# Altium PCB Ver1.4.PcbDoc (part 2 of 2)
Units mm, origin at the board's own origin, x right, y up, seen from the top; angles counter-clockwise.
Board outline 99.72 x 68.07 mm, 4 copper layers (Top Layer, Layer 1, Layer 2, Bottom Layer), stack 0.603 mm thick; 154 components, 118 nets, 500 pads, 286 vias.
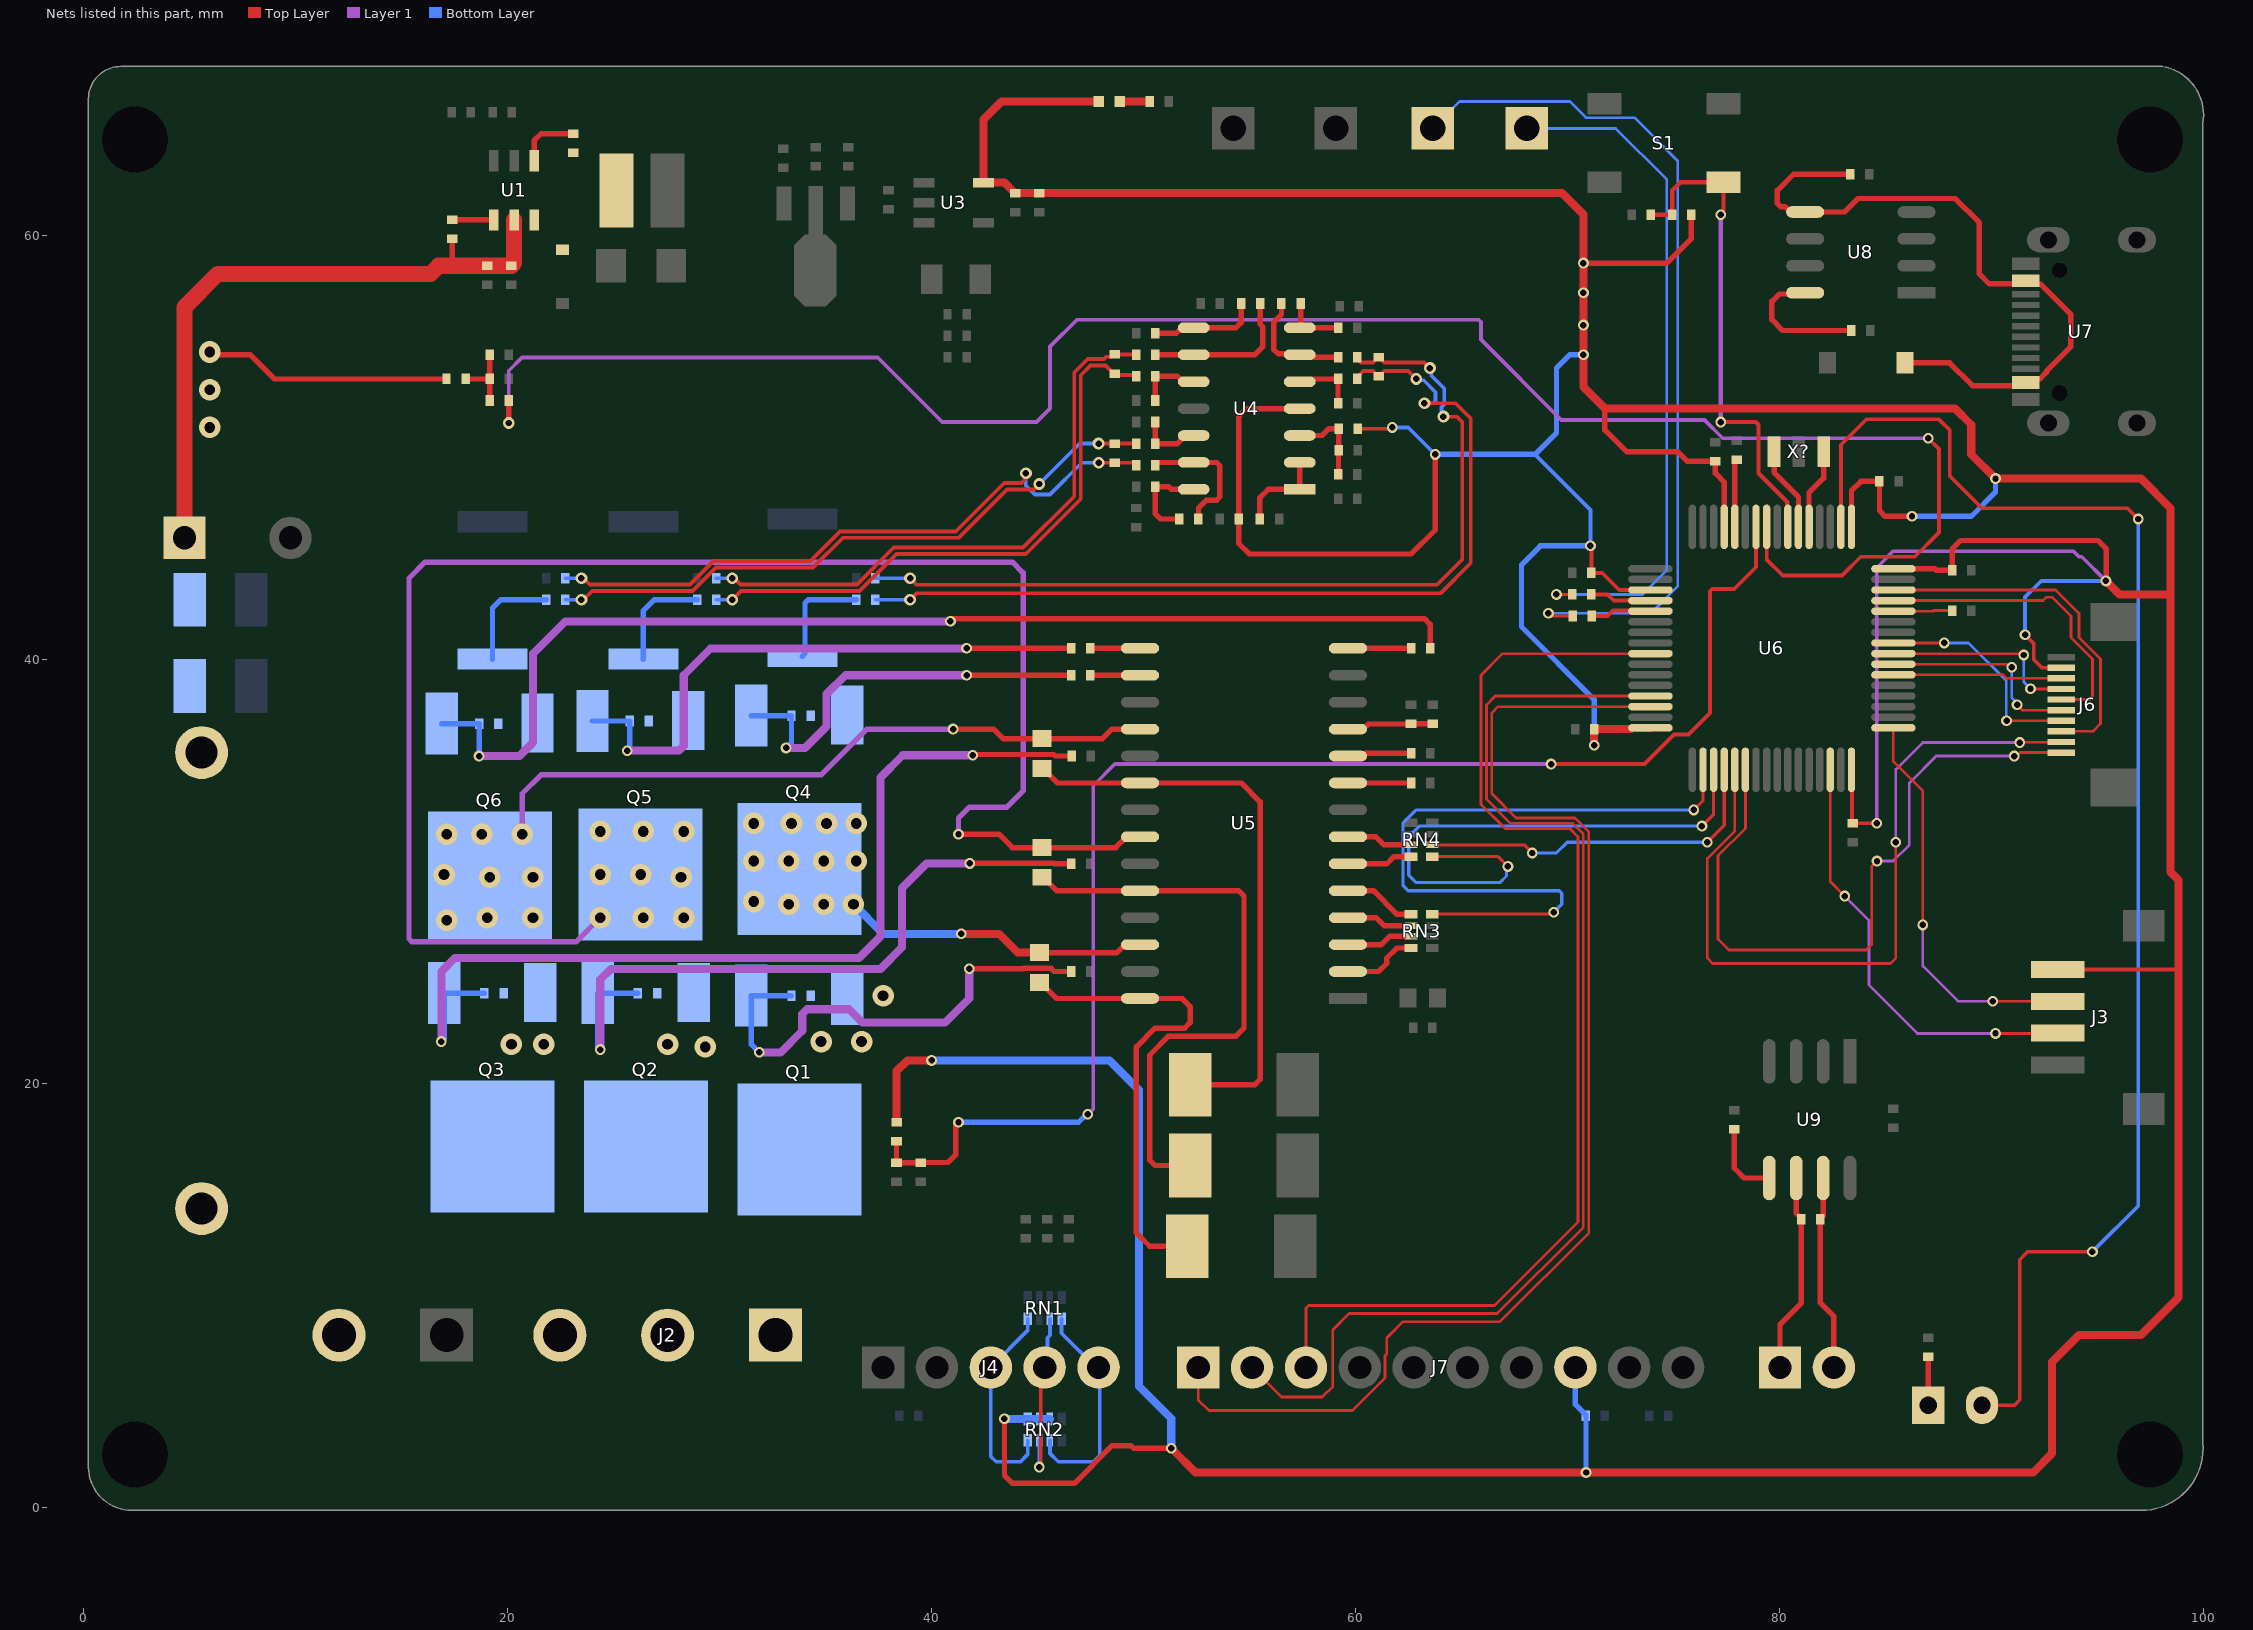
[diagram p4: the nets of this part, all layers, seen from the top]

## Via types
v1: diameter 0.508, hole 0.305, Top Layer to Bottom Layer, tented both sides, 152 vias
v2: diameter 1.016, hole 0.508, Top Layer to Bottom Layer, tented both sides, 85 vias
v3: diameter 0.559, hole 0.305, Top Layer to Bottom Layer, tented both sides, 49 vias

## Nets (pads, with @x,y where several pads share a name; then routed paths per layer and width w, separated by ;. In a path a pad name is that pad's centre, name@x,y a point inside that pad or via, vN(x,y) a via of type N, cw(c..) or ccw(c..) an arc to the next point about the centre after c; other vN are vias at no path point) (continued)
KEY1: J6.2 U6.37 | length 35.7
  Top Layer w0.127: U6.37@77.879,34.786 77.879,31.905 76.581,30.607 76.581,25.908 76.835,25.654 85.217,25.654 85.471,25.908 v1(85.471,31.369) ; v1(91.313,36.068) 91.327,36.082 93.247,36.082 J6.2@93.261,36.096
  Layer 1 w0.127: v1(85.471,31.369) 85.471,34.798 86.741,36.068 v1(91.313,36.068)
KEY2: J6.1 U6.38 | length 32.6
  Top Layer w0.127: U6.38@78.379,34.786 78.379,32.024 77.089,30.734 77.089,26.797 77.597,26.289 84.074,26.289 84.328,26.543 84.328,30.226 v1(84.582,30.48) ; v1(91.059,35.433) 91.162,35.433 91.325,35.596 J6.1@93.261,35.596
  Layer 1 w0.127: v1(84.582,30.48) 85.344,30.48 86.106,31.242 86.106,34.163 87.376,35.433 v1(91.059,35.433)
L1: RN3.8 U6.34 | length 33.4
  Top Layer w0.152: RN3.8@63.611,27.982 69.257,27.982 v1(69.342,28.067) ; v1(75.946,32.893) 76.379,33.326 U6.34@76.379,34.786
  Bottom Layer w0.152: v1(69.342,28.067) 69.723,28.448 69.723,28.956 69.596,29.083 62.484,29.083 62.23,29.337 62.23,32.258 62.865,32.893 v1(75.946,32.893)
L2: RN4.5 U6.35 | length 27.9
  Top Layer w0.152: RN4.5@63.611,30.692 66.717,30.692 v1(67.183,30.226) ; v1(76.327,32.131) 76.879,32.683 U6.35@76.879,34.786
  Bottom Layer w0.152: v1(67.183,30.226) 67.115,30.158 67.115,29.777 66.802,29.464 62.865,29.464 62.509,29.82 62.509,31.648 62.992,32.131 v1(76.327,32.131)
L3: RN4.6 U6.36 | length 17.1
  Top Layer w0.152: RN4.6@63.611,31.242 67.945,31.242 v1(68.326,30.861) ; v1(76.581,31.369) 77.379,32.167 U6.36@77.379,34.786
  Bottom Layer w0.152: v1(68.326,30.861) 69.469,30.861 69.977,31.369 v1(76.581,31.369)
LCD_CS: J6.6 U6.61 | length 14.6
  Top Layer w0.127: U6.61@85.356,42.763 92.42,42.763 92.583,42.926 92.837,42.926 93.726,42.037 93.726,41.021 94.742,40.005 94.742,38.227 94.611,38.096 J6.6@93.261,38.096
LCD_DC: J6.7 U6.56 | length 9.4
  Top Layer w0.127: U6.56@85.356,40.263 91.436,40.263 v1(91.502,40.197) v1@91.567,40.132 ; v1(91.821,38.608) 91.833,38.596 J6.7@93.261,38.596
  Bottom Layer w0.127: v1(91.502,40.197) 91.502,38.927 v1(91.821,38.608)
LCD_LEDA: J6.8 U6.54 | length 8
  Top Layer w0.127: U6.54@85.356,39.263 90.531,39.263 90.698,39.096 J6.8@93.261,39.096
LCD_MOSI: J6.4 U6.57 | length 10.5
  Top Layer w0.127: U6.57@85.356,40.763 85.358,40.765 87.755,40.765 v1(87.757,40.767) ; v1@90.678,37.084 v1(90.69,37.096) J6.4@93.261,37.096
  Bottom Layer w0.127: v1(87.757,40.767) 88.9,40.767 90.678,38.989 90.678,37.108 v1(90.69,37.096)
LCD_RST: J6.3 U6.62 | length 16.8
  Top Layer w0.127: U6.62@85.356,43.263 93.008,43.263 94.107,42.164 94.107,41.021 95.123,40.005 95.123,36.957 94.762,36.596 J6.3@93.261,36.596
LCD_SCK: J6.5 U6.55 | length 9.7
  Top Layer w0.127: U6.55@85.356,39.763 90.793,39.763 v1(90.932,39.624) ; v1(91.186,37.846) 91.436,37.596 J6.5@93.261,37.596
  Bottom Layer w0.127: v1(90.932,39.624) 90.932,38.203 91.186,37.949 v1(91.186,37.846)
LED: J8.2 U6.2 | length 69.1
  Top Layer w0.178: U6.2@82.879,46.24 82.879,50.113 84.074,51.308 87.503,51.308 88.011,50.8 88.011,48.641 89.535,47.117 96.393,47.117 v1(96.901,46.609) ; J8.2@89.535,4.826 91.064,4.826 91.316,5.077 91.313,5.08 91.313,11.684 91.694,12.065 v1(94.742,12.065)
  Bottom Layer w0.178: v1(94.742,12.065) 96.901,14.224 v1(96.901,46.609)
LO1: R11.1 U5.16 | length 2.3
  Top Layer w0.254: R11.1@47.498,39.243 U5.16@49.837,39.243
LO2: R12.1 U5.15 | length 2.3
  Top Layer w0.254: R12.1@47.498,40.513 U5.15@49.837,40.513
LO3: R13.1 U5.14 | length 3
  Top Layer w0.254: U5.14@59.637,40.513 R13.1@62.611,40.513
NetC2_2: C2.2 D3.2 U5.20 | length 27.4
  Top Layer w0.254: C2.2@45.209,34.852 45.259,34.852 45.949,34.163 U5.20@49.837,34.163 54.61,34.163 55.499,33.274 55.499,20.193 55.245,19.939 D3.2@52.197,19.939
NetC6_1: C6.1 U1.1 | length 2.9
  Top Layer w0.254: U1.1@21.27,63.5 21.27,64.45 21.601,64.781 C6.1@23.114,64.781
NetC6_2: C6.2 D1.2 L1.1 U1.6
NetC15_2: C15.2 D4.2 U5.24 | length 28.1
  Top Layer w0.254: C15.2@45.212,29.718 45.262,29.718 45.897,29.083 U5.24@49.837,29.083 54.483,29.083 54.737,28.829 54.737,22.606 54.356,22.225 51.181,22.225 50.292,21.336 50.292,16.383 50.546,16.129 D4.2@52.197,16.129
NetC16_2: C16.2 D5.2 U5.28 | length 22.8
  Top Layer w0.254: C16.2@45.085,24.765 45.135,24.765 45.897,24.003 U5.28@49.837,24.003 51.816,24.003 52.197,23.622 52.197,22.86 51.943,22.606 50.546,22.606 49.657,21.717 49.657,12.954 50.292,12.319 D5.2@52.07,12.319
NetC17_2: C17.2 R61.1 U5.11 | length 4.1
  Top Layer w0.254: U5.11@59.637,36.703 60.354,36.703 60.597,36.946 C17.2@62.611,36.946 62.616,36.952 63.622,36.952 R61.1@63.627,36.957
NetC23_2: C23.2 R28.1 R29.1 R31.2 | length 3.3
  Top Layer w0.254: R28.1@18.034,53.213 R31.2@19.166,53.213 ; C23.2@19.166,54.356 19.172,54.351 19.172,52.202 R29.1@19.177,52.197
NetC28_2: C28.2 R33.2 R38.1 U4.3 | length 4.1
  Top Layer w0.254: U4.3@57.364,50.546 58.42,50.546 58.743,50.869 R33.2@59.196,50.869 R38.1@59.196,49.853 59.191,49.848 59.191,48.716 C28.2@59.185,48.71
NetC33_2: C33.2 R50.1 S1.1 U6.7 | length 23.3
  Top Layer w0.203: C33.2@73.925,60.96 R50.1@74.93,60.96 74.93,62.103 75.311,62.484 S1.1@77.343,62.484 77.343,61.169 77.216,61.042 v1(77.216,60.96) ; v1(77.216,51.181) 78.867,51.181 78.994,51.054 78.994,48.768 80.351,47.411 80.351,46.268 U6.7@80.379,46.24
  Layer 1 w0.203: v1(77.216,51.181) v1(77.216,60.96)
NetC43_2: C43.2 U8.8 | length 6.6
  Top Layer w0.254: U8.8@81.195,57.277 81.138,57.22 79.975,57.22 79.629,56.874 79.629,56.007 80.137,55.499 C43.2@83.37,55.499
NetC49_2: C49.2 U9.5 | length 3.7
  Top Layer w0.254: C49.2@77.851,17.838 77.851,16.002 78.315,15.538 U9.5@79.502,15.538
NetD2_2: D2.2 R4.1 | length 1.4
  Top Layer w0.381: D2.2@48.879,66.294 R4.1@50.281,66.294
NetF1_1: F1.1 J1.2
NetJ4_3: J4.3 RN1.4 RN2.4 | length 9.9
  Bottom Layer w0.178: RN2.4@44.535,3.175 44.535,2.498 44.196,2.159 43.053,2.159 42.799,2.413 J4.3@42.799,6.604 44.535,8.34 RN1.4@44.535,8.906
NetJ4_4: J4.4 RN1.2 RN2.3 | length 8.5
  Top Layer w0.178: v1(45.085,1.905) 45.148,1.968 45.148,6.413 J4.4@45.339,6.604
  Bottom Layer w0.178: v1(45.085,1.905) RN2.3@45.085,3.175 ; J4.4@45.339,6.604 45.466,6.731 45.466,8.001 45.585,8.12 RN1.2@45.585,8.906
NetJ4_5: J4.5 RN1.1 RN2.2 | length 10.5
  Bottom Layer w0.178: RN2.2@45.585,3.175 45.585,2.548 45.974,2.159 47.625,2.159 47.932,2.466 47.932,6.551 J4.5@47.879,6.604 47.752,6.604 46.135,8.221 RN1.1@46.135,8.906
NetJ5_1: J5.1 R55.1 U9.6 | length 9.5
  Top Layer w0.254: J5.1@80.01,6.604 80.01,8.636 81.015,9.641 R55.1@81.015,13.589 81.015,13.639 80.772,13.882 U9.6@80.772,15.538
NetJ5_2: J5.2 R55.2 U9.7 | length 9.2
  Top Layer w0.254: U9.7@82.042,15.538 82.042,13.766 81.915,13.639 R55.2@81.915,13.589 81.915,9.652 82.55,9.017 J5.2@82.55,6.604
NetJ8_1: J8.1 R56.1 | length 2.3
  Top Layer w0.254: J8.1@86.995,4.826 R56.1@86.995,7.112
NetQ1_G: Q1.G R5.2 R8.1 | length 22.9
  Top Layer w0.254: v1(41.783,25.4) 44.323,25.4 44.342,25.419 45.64,25.419 45.786,25.273 R5.2@46.598,25.273
  Layer 1 w0.381: v1(31.877,21.463) 32.893,21.463 33.909,22.479 33.909,23.272 34.132,23.495 36.116,23.495 36.751,22.86 40.64,22.86 41.783,24.003 v1(41.783,25.4)
  Bottom Layer w0.254: v1(31.877,21.463) 31.507,21.833 Q1.G@31.507,24.133 31.511,24.13 R8.1@33.401,24.13
NetQ2_G: Q2.G R6.2 R9.1 | length 34.1
  Top Layer w0.254: v1@41.783,30.353 v1(41.802,30.372) 45.767,30.372 45.786,30.353 R6.2@46.598,30.353
  Layer 1 w0.381: v1(24.384,21.59) 24.384,24.892 24.892,25.4 37.592,25.4 38.608,26.416 38.608,29.21 39.77,30.372 v1(41.802,30.372)
  Bottom Layer w0.254: v1(24.384,21.59) 24.268,21.706 Q2.G@24.268,24.26 24.272,24.257 R9.1@26.162,24.257
NetQ3_G: Q3.G R7.2 R10.1 | length 46
  Top Layer w0.254: v1@41.91,35.433 v1(41.947,35.47) 41.983,35.506 45.765,35.506 45.838,35.433 R7.2@46.609,35.433
  Layer 1 w0.381: v1(16.891,21.971) 16.891,25.273 17.526,25.908 36.576,25.908 37.592,26.924 37.592,34.417 38.645,35.47 v1(41.947,35.47)
  Bottom Layer w0.254: v1(16.891,21.971) 17.029,22.109 Q3.G@17.029,24.26 17.033,24.257 R10.1@18.923,24.257
NetQ4_G: Q4.G R11.2 R14.1 | length 19.3
  Top Layer w0.254: v1(41.656,39.243) R11.2@46.598,39.243
  Layer 1 w0.381: v1(33.147,35.814) 34.036,35.814 35.052,36.83 35.052,38.354 35.941,39.243 v1(41.656,39.243)
  Bottom Layer w0.254: Q4.G@31.507,37.341 31.511,37.338 R14.1@33.401,37.338 33.401,36.068 v1(33.147,35.814)
NetQ4_S: Q4.S R14.2 R17.2 R20.2 | length 5
  Bottom Layer w0.254: R17.2@33.909,40.132 34.036,40.259 34.036,42.65 34.185,42.799 R20.2@36.449,42.799
NetQ5_G: Q5.G R12.2 R15.1 | length 28.1
  Top Layer w0.254: v1(41.656,40.513) R12.2@46.598,40.513
  Layer 1 w0.381: v1(25.654,35.687) 28.098,35.687 28.321,35.91 28.321,39.243 29.591,40.513 v1(41.656,40.513)
  Bottom Layer w0.254: Q5.G@24.014,37.087 24.018,37.084 R15.1@25.781,37.084 25.781,35.814 v1(25.654,35.687)
NetQ5_S: Q5.S R15.2 R18.2 R21.2 | length 5
  Bottom Layer w0.254: R18.2@26.416,40.005 26.416,42.291 26.924,42.799 R21.2@28.956,42.799
NetQ6_G: Q6.G R13.2 R16.1 | length 54.5
  Top Layer w0.254: v1(40.894,41.783) 41.021,41.91 63.246,41.91 63.511,41.645 R13.2@63.511,40.513
  Layer 1 w0.381: v1(18.669,35.433) 20.574,35.433 21.209,36.068 21.209,40.259 22.733,41.783 v1(40.894,41.783)
  Bottom Layer w0.254: Q6.G@16.902,36.96 16.906,36.957 R16.1@18.669,36.957 v1(18.669,35.433)
NetQ6_S: Q6.S R16.2 R19.2 R22.2 | length 5.1
  Bottom Layer w0.254: R19.2@19.304,40.005 19.304,42.418 19.685,42.799 R22.2@21.844,42.799
NetR1_1: R1.1 U1.4 | length 2
  Top Layer w0.254: R1.1@17.399,60.717 19.359,60.717 U1.4@19.37,60.706
NetR32_1: R32.1 R36.2 U4.7 | length 3
  Top Layer w0.254: R32.1@57.404,56.769 57.404,55.666 U4.7@57.364,55.626 R36.2@59.182,55.626
NetR32_2: R32.2 R34.2 U4.6 | length 5.5
  Top Layer w0.254: R32.2@56.504,56.769 56.504,56.25 56.134,55.88 56.134,54.61 56.341,54.403 57.317,54.403 U4.6@57.364,54.356 57.931,54.356 58.057,54.229 R34.2@59.171,54.229
NetR35_1: R35.1 U4.1 U4.2 | length 4.3
  Top Layer w0.254: R35.1@55.488,46.609 55.488,47.614 55.88,48.006 U4.1@57.364,48.006 U4.2@57.364,49.276
NetR37_2: R37.2 R39.2 U4.5 | length 3
  Top Layer w0.254: U4.5@57.364,53.086 57.931,53.086 58.058,53.213 R37.2@59.171,53.213 R39.2@59.171,52.07
NetR40_1: R40.1 R44.2 U4.14 | length 4.4
  Top Layer w0.254: R40.1@51.689,46.609 50.8,46.609 50.557,46.852 R44.2@50.557,48.133 51.181,48.133 51.308,48.006 U4.14@52.364,48.006
NetR40_2: R40.2 R42.2 U4.13 | length 6.4
  Top Layer w0.254: R42.2@50.557,49.149 50.557,49.199 50.634,49.276 U4.13@52.364,49.276 53.445,49.276 53.594,49.127 53.594,47.647 53.445,47.498 52.959,47.498 52.589,47.128 R40.2@52.589,46.609
NetR41_1: R41.1 R45.2 U4.8 | length 5.1
  Top Layer w0.254: R45.2@50.557,55.372 51.543,55.372 51.797,55.626 U4.8@52.364,55.626 54.356,55.626 54.599,55.869 R41.1@54.599,56.769
NetR41_2: R41.2 R43.2 U4.9 | length 7.3
  Top Layer w0.254: R43.2@50.557,54.356 U4.9@52.364,54.356 55.245,54.356 55.626,54.737 55.626,55.664 55.499,55.791 R41.2@55.499,56.769
NetR46_2: R46.2 R48.2 U4.12 | length 3
  Top Layer w0.254: R48.2@50.546,51.181 R46.2@50.546,50.165 51.592,50.165 51.817,50.39 51.817,50.432 51.931,50.546 U4.12@52.364,50.546
NetR47_2: R47.2 R49.2 U4.10 | length 3.1
  Top Layer w0.254: R49.2@50.546,52.197 50.551,52.202 50.551,53.334 R47.2@50.557,53.34 51.592,53.34 51.846,53.086 U4.10@52.364,53.086
NetR51_1: R51.1 U6.60 | length 2.8
  Top Layer w0.127: U6.60@85.356,42.263 87.221,42.263 87.249,42.291 R51.1@88.138,42.291
NetR52_2: R52.2 U6.12 | length 3.2
  Top Layer w0.254: U6.12@77.879,46.24 77.879,49.33 77.952,49.403 R52.2@77.978,49.403
NetR53_1: R53.1 T1.1 | length 32.5
  Top Layer w0.127: v1(69.469,43.053) R53.1@70.22,43.053
  Bottom Layer w0.127: T1.1@68.072,65.024 72.263,65.024 74.676,62.611 74.676,44.196 73.533,43.053 v1(69.469,43.053)
NetR53_2: R53.2 U6.20 | length 2.9
  Top Layer w0.178: R53.2@71.12,43.053 71.882,43.053 72.172,42.763 U6.20@73.902,42.763
NetR54_1: R54.1 T2.1 | length 41.1
  Top Layer w0.127: v1(69.088,42.164) 69.215,42.037 R54.1@70.231,42.037
  Bottom Layer w0.127: T2.1@63.627,65.024 64.897,66.294 70.104,66.294 70.866,65.532 73.152,65.532 75.184,63.5 75.184,43.434 73.914,42.164 v1(69.088,42.164)
NetR54_2: R54.2 U6.21 | length 2.9
  Top Layer w0.178: R54.2@71.131,42.037 71.882,42.037 72.136,42.291 73.874,42.291 U6.21@73.902,42.263
NetR57_2: R57.2 U5.9 | length 3
  Top Layer w0.254: U5.9@59.637,34.163 R57.2@62.611,34.163
NetR60_1: R60.1 U5.10 | length 3
  Top Layer w0.254: U5.10@59.637,35.433 60.354,35.433 60.481,35.56 R60.1@62.611,35.56
NetRN3_1: RN3.1 U5.5 | length 3.4
  Top Layer w0.254: U5.5@59.637,29.083 60.833,29.083 61.934,27.982 RN3.1@62.611,27.982
NetRN3_2: RN3.2 U5.4 | length 3.1
  Top Layer w0.254: U5.4@59.637,27.813 60.96,27.813 61.341,27.432 RN3.2@62.611,27.432
NetRN3_3: RN3.3 U5.3 | length 3.1
  Top Layer w0.254: U5.3@59.637,26.543 61.214,26.543 61.603,26.932 RN3.3@62.611,26.932
NetRN3_4: RN3.4 U5.2 | length 3.6
  Top Layer w0.254: U5.2@59.637,25.273 61.087,25.273 61.468,25.654 61.468,25.908 61.942,26.382 RN3.4@62.611,26.382
NetRN4_3: RN4.3 U5.7 | length 3.1
  Top Layer w0.254: U5.7@59.637,31.623 60.96,31.623 61.341,31.242 RN4.3@62.611,31.242
NetRN4_4: RN4.4 U5.6 | length 3.1
  Top Layer w0.254: U5.6@59.637,30.353 61.468,30.353 61.807,30.692 RN4.4@62.611,30.692
NetU6_5: U6.5 X?.1 | length 3.8
  Top Layer w0.254: U6.5@81.379,46.24 81.379,47.851 82.067,48.539 X?.1@82.067,49.784
NetU6_6: U6.6 X?.2 | length 4
  Top Layer w0.254: X?.2@79.731,49.784 79.731,48.793 80.879,47.645 U6.6@80.879,46.24
PWR: C1.1 C3.2 C4.2 C5.1 C7.2 F1.2 Q1.D Q2.D Q3.D R1.2 R28.2 U1.5 | length 42.3
  Top Layer w0.254: v2(5.969,54.483) 6.096,54.356 7.874,54.356 9.017,53.213 R28.2@17.134,53.213 ; 17.399,58.547 R1.2@17.399,59.817
  Top Layer w0.762: C1.1@4.779,45.72 4.779,56.595 6.35,58.166 16.383,58.166 16.764,58.547 17.399,58.547 C7.2@19.05,58.547 C5.1@20.193,58.547 20.32,58.674 U1.5@20.32,60.706
  other v2: 5.969,50.927 5.969,52.705
PWR_AD: R29.2 U6.9 | length 94
  Top Layer w0.178: U6.9@79.379,46.24 79.379,44.7 80.137,43.942 82.931,43.942 83.82,44.831 86.36,44.831 87.503,45.974 87.503,49.911 v1(86.995,50.419)
  Top Layer w0.254: v3(20.069,51.136) 20.069,52.189 R29.2@20.077,52.197
  Layer 1 w0.178: v3(20.069,51.136) 20.069,53.597 20.701,54.229 37.465,54.229 40.513,51.181 44.958,51.181 45.593,51.816 45.593,54.737 46.863,56.007 65.809,56.007 65.913,55.903 65.913,55.068 69.699,51.283 76.45,51.283 77.313,50.419 v1(86.995,50.419)
S_SCL: J7.2 U6.29 | length 57.2
  Top Layer w0.127: J7.2@55.118,6.604 56.515,5.207 58.42,5.207 58.928,5.715 58.928,8.382 59.69,9.144 66.675,9.144 70.739,13.208 70.739,31.75 70.231,32.258 67.31,32.258 66.167,33.401 66.167,37.846 66.584,38.263 U6.29@73.902,38.263
S_SDA: J7.1 U6.30 | length 60.3
  Top Layer w0.127: J7.1@52.578,6.604 52.578,5.08 53.086,4.572 59.85,4.572 61.389,6.111 61.389,7.16 61.468,7.239 61.468,8.001 62.23,8.763 66.802,8.763 70.993,12.954 70.993,31.855 70.336,32.512 67.564,32.512 66.421,33.655 66.421,37.465 66.719,37.763 U6.30@73.902,37.763
Sensor_A: J7.3 U6.25 | length 55.2
  Top Layer w0.127: J7.3@57.658,6.604 57.658,9.398 57.785,9.525 66.548,9.525 70.485,13.462 70.485,31.623 70.104,32.004 67.056,32.004 65.913,33.147 65.913,39.243 66.933,40.263 U6.25@73.902,40.263
SWCLK: J3.3 U6.49 | length 18.9
  Top Layer w0.127: U6.49@85.356,36.763 85.356,35.167 86.743,33.78 v1(86.743,27.469) ; v1(90.043,23.876) 93.093,23.876 J3.3@93.105,23.864
  Layer 1 w0.127: v1(86.743,27.469) 86.743,25.525 88.392,23.876 v1(90.043,23.876)
SWDIO: J3.2 U6.46 | length 20.8
  Top Layer w0.127: U6.46@82.379,34.786 82.379,29.508 v1(83.058,28.829) ; v1(90.17,22.352) 93.093,22.352 J3.2@93.105,22.364
  Layer 1 w0.127: v1(83.058,28.829) 84.201,27.686 84.201,24.638 86.487,22.352 v1(90.17,22.352)
TEMP: C22.2 R27.1 R30.2 U6.10 | length 68.2
  Top Layer w0.178: v1(69.215,35.052) 73.619,35.052 75.016,36.449 75.692,36.449 76.708,37.465 76.708,43.203 76.812,43.307 77.851,43.307 78.879,44.335 U6.10@78.879,46.24
  Top Layer w0.254: R27.1@38.354,17.272 R30.2@38.354,16.256 38.359,16.261 39.492,16.261 C22.2@39.497,16.267 40.778,16.267 41.148,16.637 41.148,18.034 v1(41.275,18.161)
  Layer 1 w0.178: v1(47.371,18.542) 47.625,18.796 47.625,34.036 48.641,35.052 v1(69.215,35.052)
  Bottom Layer w0.254: v1(41.275,18.161) 46.921,18.161 47.302,18.542 v1(47.371,18.542)
U: C16.1 J2.1 Q1.S Q4.D R8.2 U5.26 | length 14.6
  Top Layer w0.254: C16.1@45.085,26.165 48.742,26.165 49.12,26.543 U5.26@49.837,26.543
  Top Layer w0.381: v1(41.402,27.051) 43.18,27.051 44.066,26.165 C16.1@45.085,26.165
  Bottom Layer w0.381: v2(36.322,28.448) 37.719,27.051 v1(41.402,27.051)
  other v2: 34.798,21.971 36.703,21.971 37.719,24.13 33.274,28.448 34.925,28.448 31.623,28.575 31.623,30.48 33.274,30.48 34.925,30.48 36.449,30.48 31.623,32.258 33.401,32.258 35.052,32.258 36.449,32.258
UN: C25.2 R23.1 R34.1 | length 42.3
  Top Layer w0.178: v3(38.989,43.815) 39.294,43.51 63.83,43.51 65.024,44.704 65.024,51.181 64.77,51.435 v3(64.135,51.435) ; R34.1@60.071,54.229 60.071,54.179 60.257,53.993 60.822,53.993 60.926,54.097 60.926,54.129 61.037,54.24 C25.2@61.087,54.24 61.137,54.24 61.248,54.129 61.248,54.097 61.352,53.993 63.228,53.993 v3(63.5,53.721)
  Bottom Layer w0.178: R23.1@37.349,43.815 v3(38.989,43.815) ; v3(63.5,53.721) 63.564,53.657 63.564,53.369 64.176,52.757 64.176,52.003 64.05,51.877 64.05,51.73 64.062,51.717 64.062,51.508 v3(64.135,51.435)
UP: C25.1 R20.1 R37.1 | length 43.7
  Top Layer w0.178: v3(38.989,42.799) 39.294,43.104 63.999,43.104 65.43,44.536 65.43,51.349 64.71,52.07 v3(63.246,52.07) ; R37.1@60.071,53.213 60.182,53.324 60.182,53.414 60.355,53.587 60.822,53.587 60.926,53.483 60.926,53.451 61.037,53.34 C25.1@61.087,53.34 61.137,53.34 61.248,53.451 61.248,53.483 61.352,53.587 62.484,53.587 v3(62.858,53.213) v3@62.865,53.213
  Bottom Layer w0.178: R20.1@37.349,42.799 v3(38.989,42.799) ; v3(62.858,53.213) 62.922,53.149 63.21,53.149 63.77,52.589 63.77,52.171 63.665,52.067 63.249,52.067 v3(63.246,52.07)
V: C15.1 J2.2 Q2.S Q5.D R9.2 U5.22 | length 79.7
  Top Layer w0.254: v1(41.275,31.75) 43.18,31.75 43.812,31.118 C15.1@45.212,31.118 48.682,31.118 49.187,31.623 U5.22@49.837,31.623
  Layer 1 w0.254: v2(24.384,27.813) 23.241,26.67 15.516,26.67 15.367,26.819 15.367,43.815 16.129,44.577 43.815,44.577 44.323,44.069 44.323,33.782 43.561,33.02 41.783,33.02 41.275,32.512 v1(41.275,31.75)
  other v2: 29.337,21.717 27.559,21.844 26.416,27.813 28.321,27.813 28.194,29.718 24.384,29.845 26.289,29.845 24.384,31.877 26.416,31.877 28.321,31.877
VCC: C13.2 C14.2 C24.2 C34.2 C35.2 C36.2 C37.2 C38.2 C39.2 C51.2 D2.1 J3.4 J6.9 J7.8 R27.2 R33.1 R50.2 RN2.5 RN2.6 RN2.7 U3.5 U4.4 U6.1 U6.13 U6.19 U6.32 U6.48 U6.64 | length 369.3
  Top Layer w0.178: R33.1@60.096,50.869 61.664,50.869 v1(61.722,50.927) ; v1(71.069,45.344) 71.12,45.293 C35.2@71.12,44.069 71.628,44.069 72.434,43.263 U6.19@73.902,43.263 ; U6.48@83.379,34.786 83.409,34.756 83.409,32.299 C37.2@83.439,32.269 v1(84.571,32.269) v1@84.582,32.258 ; v1(91.567,41.148) 91.971,40.744 91.971,39.982 92.357,39.596 J6.9@93.261,39.596 ; J3.4@93.105,25.364 98.77,25.364 98.806,25.4
  Top Layer w0.254: v1(43.442,4.183) 43.442,1.516 43.815,1.143 46.736,1.143 48.514,2.921 49.403,2.921 49.53,2.794 v1(51.308,2.794) ; U4.4@57.364,51.816 54.864,51.816 54.483,51.435 C24.2@54.483,46.609 54.483,45.466 54.991,44.958 62.611,44.958 63.754,46.101 v1(63.754,49.657) ; v1(70.739,58.674) 74.676,58.674 75.83,59.828 R50.2@75.83,60.96 ; 71.755,51.816 71.755,50.8 72.771,49.784 75.184,49.784 75.634,49.334 C39.2@76.962,49.334 76.962,48.768 77.379,48.351 U6.13@77.379,46.24 ; U6.1@83.379,46.24 83.379,47.946 83.82,48.387 C34.2@84.698,48.387 84.698,47.001 84.963,46.736 v1(86.233,46.736) ; U6.64@85.356,44.263 87.309,44.263 87.376,44.196 C36.2@88.127,44.196 88.127,45.201 88.519,45.593 94.996,45.593 95.399,45.19 95.399,43.71 v1(95.377,43.688)
  Top Layer w0.381: R27.2@38.354,18.172 38.354,20.574 38.862,21.082 v1(40.005,21.082) ; D2.1@47.879,66.294 43.307,66.294 42.451,65.438 U3.5@42.451,62.469 43.449,62.469 43.883,62.035 43.883,61.985 43.892,61.976 C13.2@43.942,61.976 C14.2@45.085,61.976 69.723,61.976 70.739,60.96 v1(70.739,58.674) v1(70.739,57.277) v1(70.739,55.753) v1(70.739,54.356) 70.739,52.832 71.755,51.816 88.265,51.816 89.027,51.054 89.027,49.657 v1(90.17,48.514) 97.028,48.514 98.425,47.117 98.425,43.053 ; v1(51.308,2.794) 52.451,1.651 v1(70.866,1.651) 91.948,1.651 92.837,2.54 92.837,6.858 94.107,8.128 97.028,8.128 98.806,9.906 98.806,25.4 98.806,29.591 98.425,29.972 98.425,43.053 ; v1(71.247,35.941) C38.2@71.247,36.703 72.998,36.703 73.058,36.763 U6.32@73.902,36.763 ; v1(95.377,43.688) 96.012,43.053 98.425,43.053
  Layer 1 w0.178: v1(84.571,32.269) 84.571,44.312 85.344,45.085 93.853,45.085 94.107,44.831 94.234,44.831 v1(95.377,43.688)
  Bottom Layer w0.178: v1(61.722,50.927) 62.484,50.927 v1(63.754,49.657) ; 68.453,49.657 71.069,47.041 v1(71.069,45.344) ; v1(91.567,41.148) 91.567,42.926 92.329,43.688 v1(95.377,43.688)
  Bottom Layer w0.254: v1(63.754,49.657) 68.453,49.657 69.469,50.673 69.469,53.721 70.104,54.356 v1(70.739,54.356) ; J7.8@70.358,6.604 70.358,4.865 70.855,4.368 C51.2@70.855,4.318 70.861,4.312 70.861,1.656 v1(70.866,1.651) ; v1(71.069,45.344) 71.064,45.339 68.707,45.339 67.818,44.45 67.818,41.529 71.247,38.1 v1(71.247,35.941) ; v1(86.233,46.736) 89.027,46.736 90.17,47.879 v1(90.17,48.514)
  Bottom Layer w0.381: v1(40.005,21.082) 48.387,21.082 49.784,19.685 49.784,5.715 51.308,4.191 v1(51.308,2.794) ; v1@43.434,4.191 43.45,4.175 RN2.5@44.535,4.175 RN2.6@45.085,4.175 RN2.7@45.585,4.175
VN: C30.2 R24.1 R43.1 | length 27.8
  Top Layer w0.178: v3(30.607,43.815) 30.71,43.815 31.002,43.523 36.485,43.523 38.225,45.263 44.321,45.263 46.736,47.678 46.736,53.517 47.372,54.153 48.133,54.153 48.236,54.256 48.53,54.256 C30.2@48.641,54.367 48.647,54.361 49.652,54.361 R43.1@49.657,54.356
  Bottom Layer w0.178: R24.1@29.845,43.815 v3(30.607,43.815)
VP: C30.1 R21.1 R47.1 | length 28
  Top Layer w0.178: v3(30.607,42.799) 31.026,43.218 36.612,43.218 38.351,44.958 44.447,44.958 47.041,47.551 47.041,53.391 47.498,53.848 48.21,53.848 48.591,53.467 C30.1@48.641,53.467 48.704,53.404 49.593,53.404 R47.1@49.657,53.34
  Bottom Layer w0.178: R21.1@29.856,42.799 v3(30.607,42.799)
VUSB: C42.1 D6.1 U7.A4 U7.A9 U7.B4 U7.B9 U8.5 | length 33.4
  Top Layer w0.254: C42.1@83.312,62.865 80.645,62.865 79.883,62.103 79.883,61.49 80.032,61.341 80.236,61.341 80.49,61.087 U8.5@81.195,61.087 83.058,61.087 83.693,61.722 88.265,61.722 89.408,60.579 89.408,58.166 89.876,57.698 U7.B4@91.592,57.698 ; D6.1@85.903,53.975 88.011,53.975 89.088,52.898 U7.A4@91.592,52.898 U7.B9@91.592,53.198 91.615,53.221 92.273,53.221 92.583,53.531 92.583,53.594 93.726,54.737 93.726,56.261 92.312,57.675 91.615,57.675 U7.B4@91.592,57.698 ; U7.A9@91.592,57.998 U7.B4@91.592,57.698
W: C2.1 J2.3 Q3.S Q6.D R10.2 U5.18 | length 32.7
  Top Layer w0.254: v1(41.021,36.703) 42.926,36.703 43.377,36.252 C2.1@45.209,36.252 48.063,36.252 48.514,36.703 U5.18@49.837,36.703
  Layer 1 w0.254: v2(20.701,31.75) 20.701,33.655 21.59,34.544 34.798,34.544 36.957,36.703 v1(41.021,36.703)
  other v2: 20.193,21.844 21.717,21.844 17.145,27.686 19.05,27.813 21.209,27.813 19.177,29.718 21.209,29.718 17.018,29.845 17.145,31.75 18.796,31.75
WN: C29.2 R25.1 R42.1 | length 30.8
  Top Layer w0.178: v3(23.495,43.815) 23.598,43.815 23.89,43.523 28.611,43.523 29.717,44.629 34.292,44.629 35.688,46.025 41.146,46.025 43.432,48.311 44.247,48.311 44.45,48.514 v3(44.45,48.768) ; v3@47.879,49.276 v3(47.89,49.265) C29.2@48.641,49.265 49.546,49.265 49.657,49.154 R42.1@49.657,49.149
  Bottom Layer w0.178: R25.1@22.733,43.815 v3(23.495,43.815) ; v3(44.45,48.768) 44.45,48.195 44.88,47.765 45.583,47.765 47.084,49.265 v3(47.89,49.265)
WP: C29.1 R22.1 R46.1 | length 30
  Top Layer w0.178: v3(23.495,42.799) 23.584,42.799 24.003,43.218 28.738,43.218 29.844,44.324 34.418,44.324 35.814,45.72 41.272,45.72 43.558,48.006 44.831,48.006 v3(45.085,48.26) ; v3(47.879,50.165) C29.1@48.641,50.165 R46.1@49.646,50.165
  Bottom Layer w0.178: R22.1@22.744,42.799 v3(23.495,42.799) ; v3(45.085,48.26) 46.99,50.165 v3(47.879,50.165)
pads on no net: J3.0 J6.0 RN1.3 RN1.6 RN2.1 RN2.8 RN4.1 RN4.2 RN4.7 RN4.8 S1.3 S1.4 S2.1 S3.1 S4.1 S5.1 U3.4 U5.8 U5.17 U5.21 U5.25 U6.3 U6.4 U6.8 U6.11 U6.17 U6.26 U6.27 U6.28 U6.31 U6.33 U6.39 U6.40 U6.47 U7. U7.A5 U7.A8 U7.B5 U7.B8 U8.4

## Polygon pours and split planes (outlines as drawn)
DGND on Top Layer "p" (solid, pour order 29): 43.307,67.818 41.529,66.04 41.529,15.113 35.814,9.398 35.814,1.397 37.211,0 97.663,0 100.076,2.413 100.076,65.405 97.917,67.564
DGND on Top Layer "p" (solid, pour order 23): 41.402,56.769 41.402,53.467 41.783,53.086 44.45,53.086 44.831,53.467 44.831,56.769
GND on Top Layer "p" (solid, pour order 22): 39.243,59.182 37.338,57.277 37.338,55.753 39.751,53.34 41.148,53.34 41.148,58.928 40.894,59.182
GND on Top Layer "p" (solid, pour order 21): 30.607,63.754 40.005,63.754 40.513,63.246 40.513,61.976 40.386,61.849 39.116,61.849 38.735,61.468 37.211,61.468 36.703,61.976 36.703,62.484 35.56,62.484 35.433,62.357 35.433,60.452 35.56,60.325 38.227,60.325 38.862,60.96 38.862,61.087 41.402,61.087 41.656,61.341 41.656,64.897 41.148,65.405 30.607,65.405
+12 on Top Layer "p" (solid, pour order 20): 19.812,66.675 19.812,65.278 20.066,65.024 20.955,65.024 21.463,65.532 26.162,65.532 26.797,64.897 26.797,57.023 26.924,56.896 32.131,56.896 32.766,57.531 32.766,59.817 33.782,60.833 33.782,63.246 33.528,63.5 28.956,63.5 28.956,65.913 28.067,66.802
GND on Top Layer "p" (solid, pour order 19): 25.781,59.563 25.781,55.88 25.273,55.372 15.24,55.372 14.859,55.753 14.859,57.277 15.113,57.531 17.653,57.531 18.034,57.912 23.495,57.912 24.003,58.42 24.003,59.563
GND on Top Layer "p" (solid, pour order 18): 20.066,64.135 20.066,62.611 19.939,62.484 17.78,62.484 17.78,66.167 17.399,66.548 14.859,66.548 14.351,66.04 14.351,61.722 14.605,61.468 20.574,61.468 20.828,61.722 20.828,64.008 20.701,64.135
NetC6_2 on Top Layer "p" (solid, pour order 17): 20.955,61.468 20.955,59.309 21.336,58.928 23.495,58.928 23.749,59.182 23.749,60.071 25.908,60.071 26.035,60.198 26.035,64.008 25.781,64.262 22.733,64.262 22.098,63.627 22.098,61.468
U on Top Layer "p" (solid, pour order 14): 30.607,34.036 30.607,26.67 31.242,26.035 32.893,26.035 32.893,20.193 30.607,17.907 30.607,3.048 31.75,1.905 33.909,1.905 34.671,2.667 34.671,11.303 34.925,11.303 37.719,14.859 38.354,32.893 37.211,34.036
W on Top Layer "p" (solid, pour order 13): 20.066,8.509 20.066,7.366 21.209,6.223 21.209,4.191 22.479,2.921 23.876,2.921 24.638,3.683 24.638,20.828 22.86,20.828 22.86,21.59 22.86,34.417 22.733,34.544 16.51,34.544 16.383,34.417 16.383,26.924 17.018,26.289 19.05,26.289 19.05,20.701 18.288,19.939 18.288,11.811 18.669,11.43
V on Top Layer "p" (solid, pour order 10): 23.495,33.909 23.495,27.178 25.273,25.4 25.273,3.302 26.162,2.413 28.321,2.413 29.464,3.556 29.464,19.431 29.972,19.939 29.972,33.147 29.21,33.909
GND on Top Layer "p" (solid, pour order 7): 14.605,1.27 20.066,1.27 20.574,1.778 20.574,5.715 19.812,6.477 18.034,11.049 17.272,12.192 15.875,13.589 15.875,43.561 18.034,45.72 24.384,45.72 25.654,46.99 25.654,50.8 24.892,51.562 21.463,51.562 19.812,49.911 8.001,49.911 6.985,48.895 6.985,38.862 11.303,34.544 11.303,15.494 14.351,12.446 14.351,7.366
NetF1_1 on Top Layer "p" (solid, pour order 0): 1.397,24.765 1.397,7.747 3.937,5.207 6.731,5.207 6.731,1.778 7.366,1.143 13.462,1.143 13.843,1.524 13.843,11.938 10.668,15.113 10.668,24.257 10.16,24.765
GND on Bottom Layer "p" (solid, pour order 31): 1.524,67.691 0.635,66.802 0.635,0.381 98.425,0.381 99.441,1.397 99.441,66.167 97.917,67.691
NetQ6_S on Bottom Layer "p" (solid, pour order 16): 17.399,42.164 17.399,39.116 17.653,38.862 19.939,38.862 19.939,38.354 19.812,38.227 19.304,38.227 19.304,35.306 19.558,35.052 22.479,35.052 22.479,42.037 22.352,42.164
NetQ5_S on Bottom Layer "p" (solid, pour order 15): 24.511,42.164 24.511,39.37 24.892,38.989 26.416,38.989 26.416,35.687 26.797,35.306 29.591,35.306 29.845,35.56 29.845,41.783 29.464,42.164
W on Bottom Layer "p" (solid, pour order 9): 16.256,34.29 16.256,26.67 16.764,26.162 19.304,26.162 19.431,26.035 19.431,21.336 19.685,21.082 22.479,21.082 22.606,21.209 22.606,34.036 22.352,34.29
V on Bottom Layer "p" (solid, pour order 8): 23.114,34.417 23.114,26.543 23.241,26.416 26.416,26.416 26.67,26.162 26.67,21.336 27.051,20.955 29.845,20.955 29.972,21.082 29.972,34.036 29.464,34.544
GND on Bottom Layer "p" (solid, pour order 6): 17.272,44.577 36.068,44.577 37.465,45.974 37.465,52.324 36.195,53.594 21.717,53.594 21.209,53.086 21.209,49.403 8.128,49.403 7.112,48.387 7.112,37.211 7.62,36.703 11.43,36.703 11.684,36.449 13.335,36.449 14.351,37.465 14.351,44.069 14.605,44.323
GND on Bottom Layer "p" (solid, pour order 5): 36.322,44.45 36.957,45.085 36.957,52.451 36.449,52.959 32.004,52.959 31.242,52.197 31.242,45.085 31.877,44.45
NetQ4_S on Bottom Layer "p" (solid, pour order 4): 34.036,34.925 37.084,34.925 37.465,35.306 37.465,41.656 36.957,42.164 32.512,42.164 32.004,41.656 32.004,39.37 32.258,39.116 33.909,39.116
U on Bottom Layer "p" (solid, pour order 2): 30.734,34.544 30.734,26.67 30.861,26.543 33.782,26.543 33.909,26.416 33.909,21.209 34.29,20.828 37.719,20.828 38.481,21.59 38.481,33.528 37.465,34.544
PWR on Bottom Layer "p" (solid, pour order 1): 15.24,13.462 39.497,13.462 40.259,14.224 40.259,19.812 39.751,20.32 12.573,20.32 10.795,22.098 10.795,35.687 10.287,36.195 7.366,36.195 6.477,37.084 6.477,61.214 5.969,61.722 2.286,61.722 1.651,61.087 1.651,18.034 3.175,16.51 10.795,15.875 13.716,13.843 13.716,13.716
DGND on Layer 1 "p" (solid, pour order 30): 39.751,68.199 39.751,13.081 35.814,9.144 35.814,1.016 36.703,0.127 98.044,0.127 99.822,1.905 99.822,66.421 98.044,68.199
GND on Layer 1 "p" (solid, pour order 27): 43.688,-2.54
GND on Layer 2 (split plane): 1.778,67.435 98.008,67.435 98.016,67.433 98.188,67.39 98.355,67.33 98.516,67.255 98.668,67.163 98.811,67.058 98.942,66.938 99.062,66.807 99.167,66.664 99.259,66.512 99.334,66.351 99.394,66.184 99.437,66.012 99.463,65.836 99.472,65.659 99.463,65.482 99.446,65.362 99.447,65.362 99.439,65.278 99.439,3.048 99.443,3.004 99.452,2.794 99.443,2.583 99.415,2.373 99.369,2.167 99.306,1.965 99.225,1.77 99.127,1.582 99.013,1.404 98.885,1.236 98.742,1.08 98.586,0.937 98.418,0.809 98.24,0.695 98.052,0.597 97.857,0.516 97.655,0.453 97.449,0.407 97.27,0.383 2.286,0.383 2.271,0.382 2.115,0.391 1.947,0.419 1.783,0.467 1.625,0.532 1.475,0.615 1.336,0.714 1.208,0.827 1.095,0.955 0.996,1.094 0.913,1.244 0.848,1.402 0.8,1.566 0.772,1.734 0.763,1.89 0.764,1.905 0.764,66.421 0.763,66.434 0.771,66.554 0.797,66.684 0.84,66.81 0.898,66.929 0.972,67.039 1.06,67.139 1.16,67.227 1.27,67.301 1.389,67.359 1.515,67.402 1.645,67.428 1.765,67.436

## Keep-outs
Keep-Out Layer:
  lines w0.203: 0.254,1.905 ccw(c2.286,1.905) 2.286,-0.127 ; 0.254,66.421 cw(c1.778,66.421) 1.778,67.945 ; 97.282,-0.127 ccw(c97.028,2.794) 99.949,3.048 ; 98.044,67.945 cw(c97.663,65.659) 99.949,65.278
  lines w0.254: 0.254,1.905 0.254,66.421 ; 1.778,67.945 98.044,67.945 ; 2.286,-0.127 6.223,-0.127 97.282,-0.127 ; 99.949,3.048 99.949,65.278

## Other copper
Bottom Layer:
  pour cut-out: 17.399,45.212 16.764,44.577 16.764,41.656 17.399,41.021 37.973,41.021 38.735,41.783 38.735,43.942 37.465,45.212

## Silkscreen, mask and mechanical layers (free items; w line width, h text height)
Top Overlay:
  circle w0.1: c2.449,2.5 r1.629
  lines w0.1: 4.001,64.5 cw(c2.449,64.5) 4.001,64.517 ; 4.078,2.5 ccw(c2.449,2.5) 4.078,2.54 ; 99.093,2.411 cw(c97.449,2.5) 99.096,2.5 ; 99.101,64.5 cw(c97.449,64.5) 99.101,64.516
  lines w0.254: 55.245,8.509 74.295,8.509 ; 80.137,8.509 83.058,8.509 ; 19.177,23.622 34.29,23.622 34.29,33.147 19.177,33.147 19.177,23.622
  lines w0.508: 11.176,12.573 11.176,10.414 19.304,10.414 19.431,10.414 19.431,12.827 11.176,12.827 ; 17.145,37.211 17.145,47.879
  text "GND" at 54.04,60.106 h3.81
  text "DAC" at 63.271,60.099 h3.81
  text "Ver1.4.1" at 17.914,45.993 h2.03
  text "Designed by" at 17.479,43.211 h3.81
  text "CAP*3" at 1.65,41.434 h3.81
  text "HanWenchao" at 17.531,39.37 h4.06
  text "[Servo Drive for PMSM/BLDC]" at 17.646,37.836 h1.4
  text "TFT" at 91.186,35.257 h3.81 r90
  text "MOS" at 22.869,28.368 h5.08
  text "Bottom Layer" at 19.66,25.585 h2.54
  text "SWD" at 91.151,20.311 h3.81 r90
  text "36V" at 12.194,19.478 h5.08
  text "MAX" at 11.613,15.621 h5.08
  text "U" at 32.01,10.703 h3.81
  text "W" at 21.509,10.668 h3.81
  text "V" at 26.538,10.668 h3.81
  text "+" at 11.165,10.541 h5.08
  text "-" at 16.233,10.508 h5.08
  text "Encoder Interface" at 54.858,8.826 h2.54
  text "CAN" at 79.887,8.782 h2.54
  text "DIR" at 85.855,1.143 h3.81